# Altium PCB Swarm.PcbDoc (part 2 of 2)
Units mm, origin at the board's own origin, x right, y up, seen from the top; angles counter-clockwise.
Board outline 110 x 110 mm, 2 copper layers (Top Layer, Bottom Layer); 186 components, 147 nets, 586 pads, 71 vias.
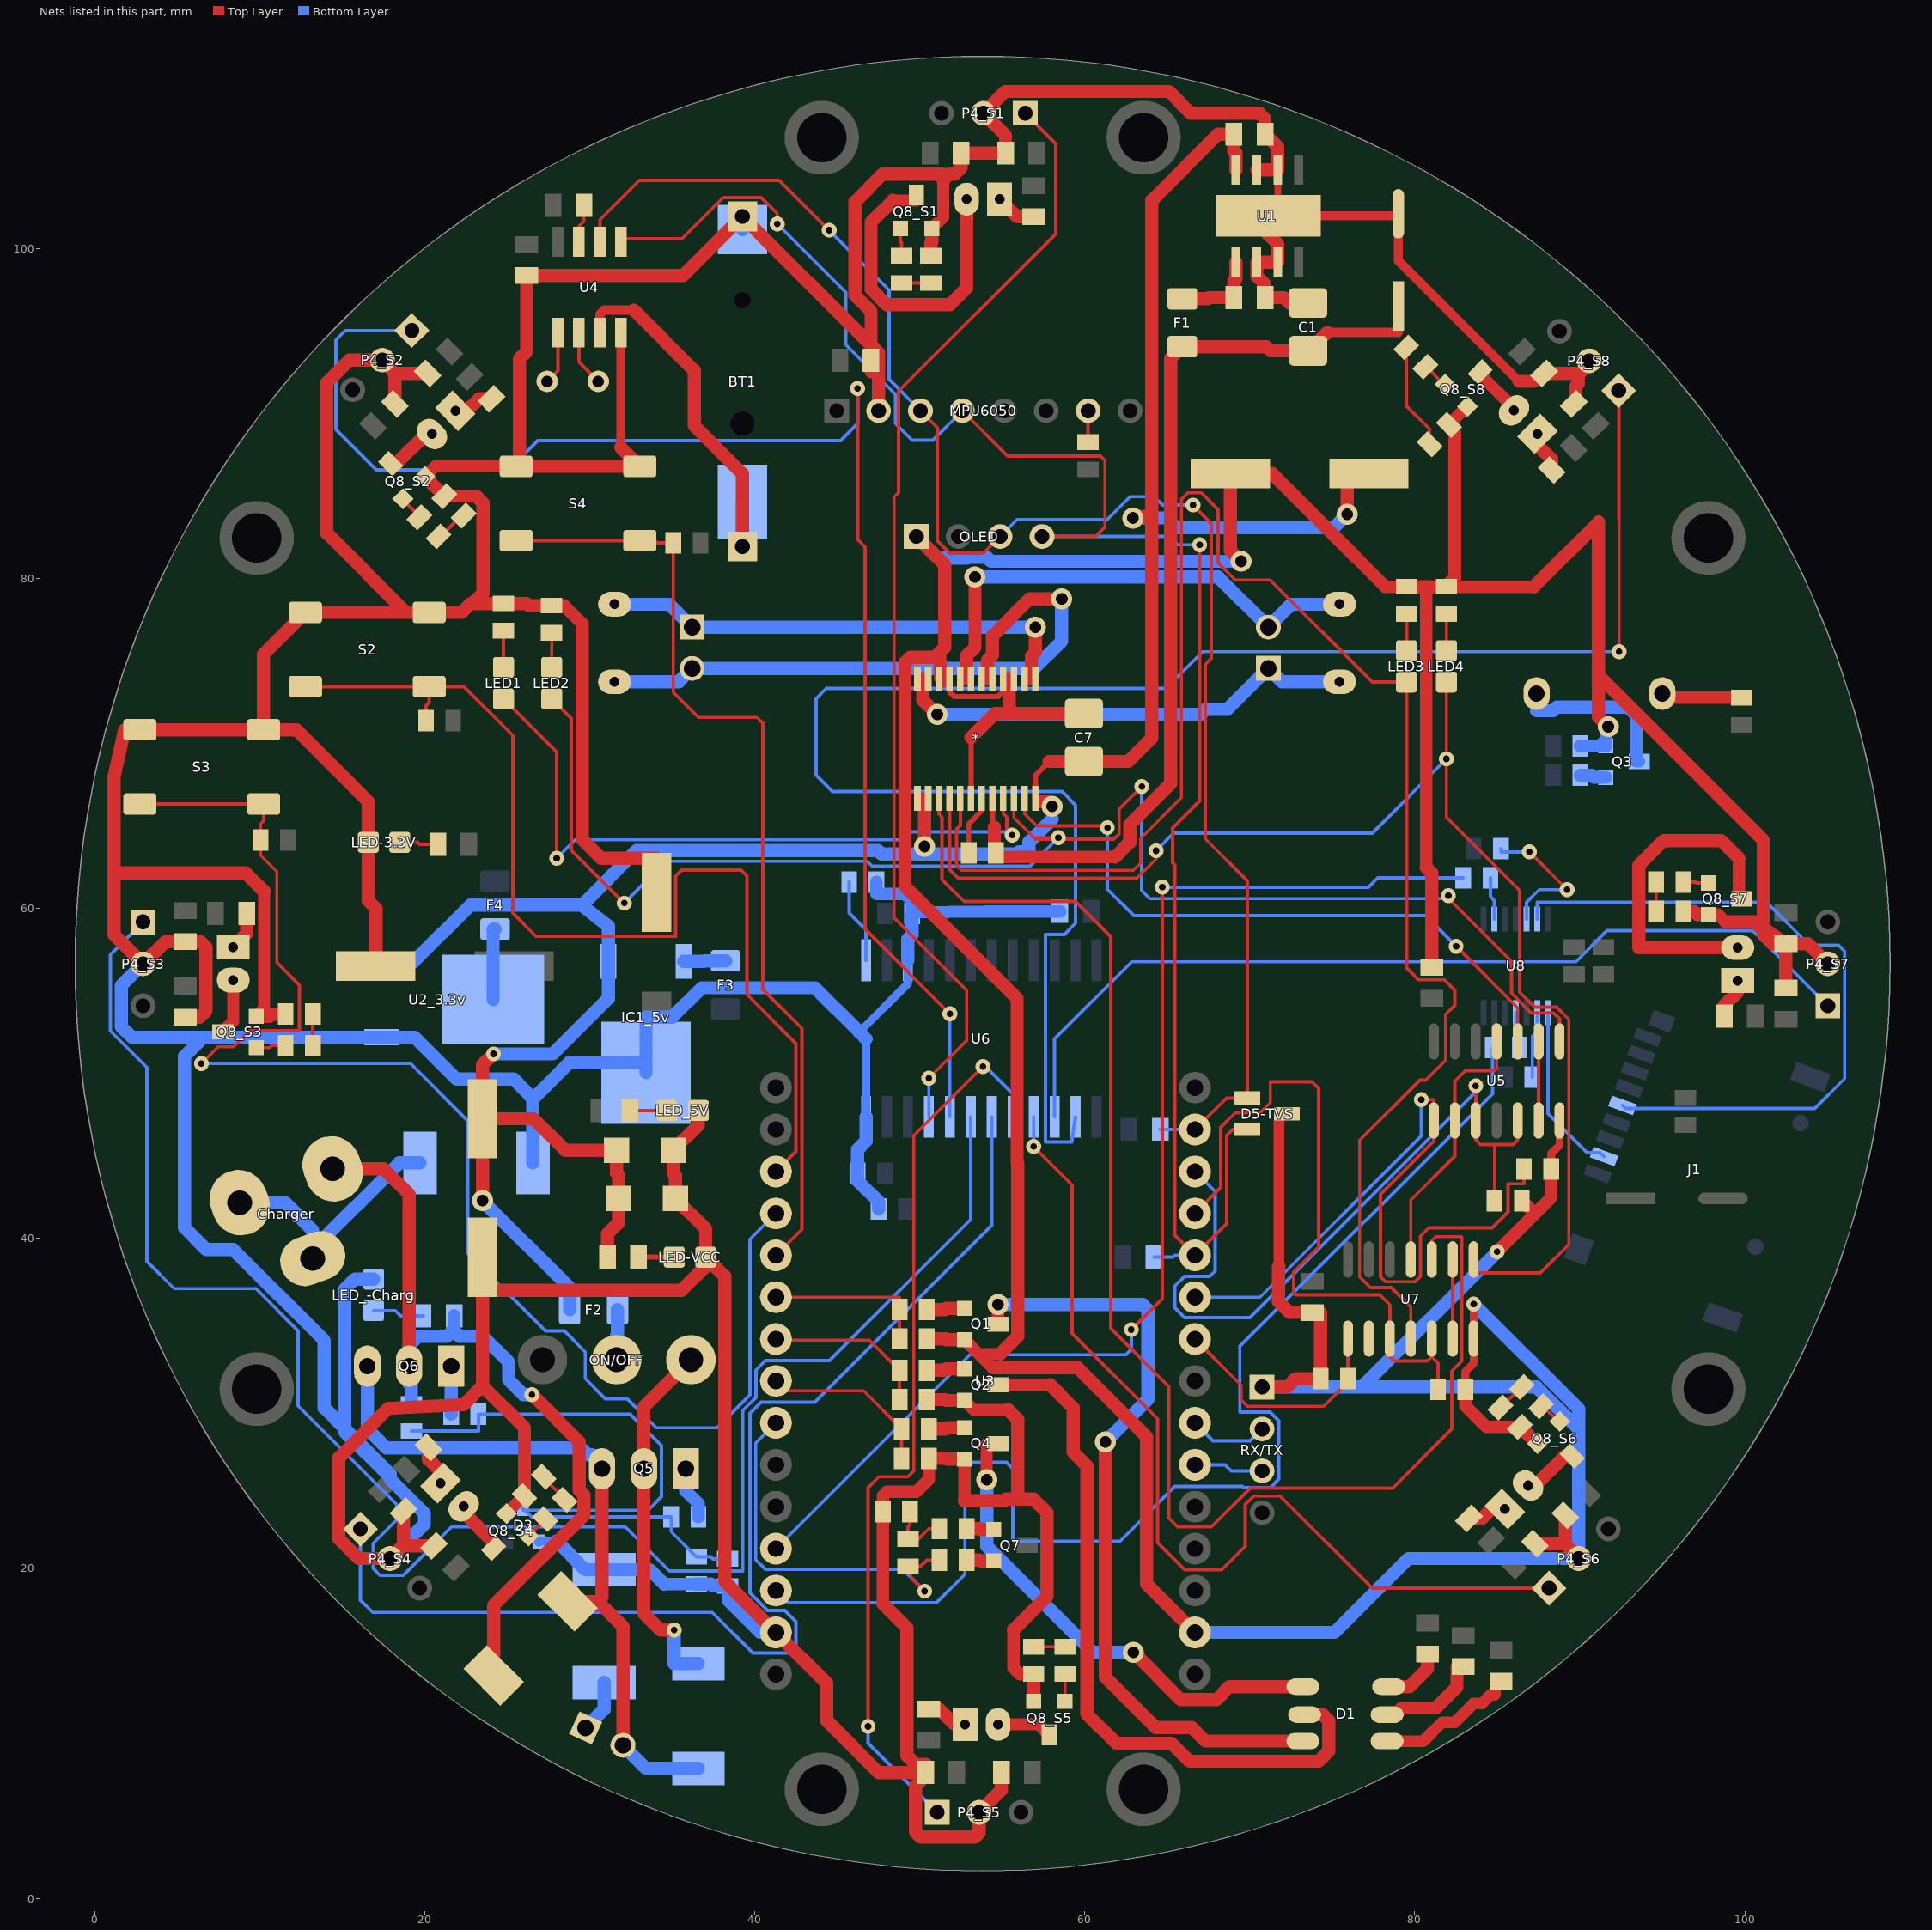
[diagram p2: the nets of this part, all layers, seen from the top]

## Via types
v1: diameter 0.9, hole 0.4, Top Layer to Bottom Layer, 41 vias
v2: diameter 1.27, hole 0.711, Top Layer to Bottom Layer, 30 vias

## Nets (pads, with @x,y where several pads share a name; then routed paths per layer and width w, separated by ;. In a path a pad name is that pad's centre, name@x,y a point inside that pad or via, vN(x,y) a via of type N, cw(c..) or ccw(c..) an arc to the next point about the centre after c; other vN are vias at no path point) (continued)
GND_S1: *.3 *.4 *.9 *.10 *.18 BT1.2 C1.2 C2.1 C3.1 C4.2 C5.2 C6.- C7.2 C10.2 C12.2 C13.1 C14.2 C15.2 C17.1 C18.2 C21.1 C22.2 C23_S1.1 C23_S2.1 C23_S3.1 C23_S4.1 C23_S5.1 C23_S6.1 C23_S7.1 C23_S8.1 C24_S1.1 C24_S2.1 C24_S3.1 C24_S4.1 C24_S5.1 C24_S6.1 C24_S7.1 C24_S8.1 D2.A D3.A D4.A D5-TVS.3 IC1_5v.4 LED-3.3V.K LED-VCC.K LED_5V.K LED_-Charg.K MPU6050.2 OLED.1 P4_S1.2 P4_S2.2 P4_S3.2 P4_S4.2 P4_S5.2 P4_S6.2 P4_S7.2 P4_S8.2 Q1.E Q2.E Q3.E Q4.E Q8_S1.E Q8_S2.E Q8_S3.E Q8_S4.E Q8_S5.E Q8_S6.E Q8_S7.E Q8_S8.E R5.2 R16.2 R17.2 R18.2 R19.2 R20.2 R33.2 R34.2 R35.2 R38.2 R39.2 R40.2 R41.2 R42.1 R43.1 R44.1 R45.2 R46.1 R47.2 R50_S1.2 R50_S2.2 R50_S3.2 R50_S4.2 R50_S5.2 R50_S6.2 R50_S7.2 R50_S8.2 RX/TX.1 S2.1 S3.1 S4.1 U1.2 U1.3 U1.6 U1.7 U2_3.3v.1 U3.2 U3.29 U4.4 U5.7 U6.12 U6.15 U7.7 | length 1016.1
  Top Layer w0.32: *.9@51.801,73.787 51.801,73.116 52.07,72.847 54.746,72.847 55.051,73.152 *.4@55.051,73.914 ; *.18@53.101,66.675 53.101,70.358 ; *.4@55.051,73.925 *.4@55.051,73.914 ; 55.376,73.914 *.4@55.051,73.914
  Top Layer w0.427: U1.7@71.69,102.551 U1.6@71.69,104.766
  Top Layer w0.48: R40.2@83.058,30.861 83.058,31.922 83.566,32.43 U7.7@83.566,33.922 v1(83.566,36.017) ; R35.2@88.264,44.196 88.264,45.143 88.773,45.652 U5.7@88.773,47.143
  Top Layer w0.56: 31.877,87.946 U4.4@31.877,94.913 ; U1.7@71.12,101.981 C6.-@78.994,101.981 ; C6.-@78.994,102.108 C6.-@78.994,101.981 ; 86.313,91.948 78.994,99.267 C6.-@78.994,101.981
  Top Layer w0.64: 71.755,38.302 71.755,47.064 71.79,47.099 71.79,47.479 71.87,47.559 D5-TVS.3@72.25,47.559
  Top Layer w0.732: Q8_S3.E@9.779,53.467 10.262,53.95 10.262,61.036 ; Q8_S2.E@20.016,86.183 20.629,86.796 S4.1@25.527,86.796 ; Q8_S4.E@24.942,23.318 R50_S4.2@26.008,24.384 ; Q8_S1.E@50.724,101.219 51.41,101.905 51.41,104.14 ; 52.705,24.094 Q4.E@52.705,26.619 ; Q2.E@52.705,30.175 53.271,29.61 55.353,29.61 ; Q1.E@52.705,33.858 53.569,32.995 ; 54.407,32.156 53.569,32.995 ; 54.864,32.995 53.569,32.995 ; R50_S8.2@82.066,89.328 83.161,90.424 Q8_S8.E@83.185,90.424 ; Q8_S7.E@97.79,59.639 98.374,59.639 98.831,59.183
  Top Layer w0.76: R50_S2.2@21.185,84.987 23.116,84.987 ; R50_S4.2@26.008,24.384 R50_S4.2@26.035,24.384 26.035,28.524 ; R39.2@27.686,78.359 28.448,78.359 29.54,77.267 ; 47.753,17.855 R34.2@47.753,23.419 47.753,24.384 48.007,24.638 49.784,24.638 50.546,25.4 R18.2@50.546,26.67 ; 55.677,16.281 55.677,13.97 56.058,13.589 R50_S5.2@56.896,13.589 ; 76.429,81.28 78.207,79.502 R45.2@79.502,79.502 ; 80.696,62.484 80.696,79.171 81.026,79.501 R47.2@81.915,79.501 81.937,79.501 87.223,79.501 ; R50_S8.2@82.066,89.305 R50_S8.2@82.066,89.328 ; R40.2@83.058,30.861 83.058,29.845 84.328,28.575 R50_S6.2@86.36,28.575 ; v1(84.988,39.192) 87.287,41.49 ; R33.2@86.486,42.291 87.287,41.49 ; R35.2@88.264,44.196 88.264,42.468 87.287,41.49
  Top Layer w0.8: C24_S3.1@5.461,53.416 6.35,53.416 6.731,53.797 6.731,57.658 6.401,57.988 C23_S3.1@5.461,57.988 4.267,57.988 P4_S3.2@2.921,56.642 1.168,58.395 1.168,62.154 ; Q8_S3.E@9.779,53.467 10.592,53.467 10.719,53.594 R50_S3.2@11.557,53.594 ; 10.262,61.036 9.144,62.154 1.168,62.154 ; C14.2@17.009,56.515 17.047,56.515 17.047,59.983 16.573,60.456 LED-3.3V.K@16.573,64.008 16.573,66.459 12.203,70.83 S3.1@10.227,70.83 ; C24_S2.1@18.191,90.581 18.191,92.426 ; C23_S4.1@18.699,23.465 18.699,21.402 18.662,21.366 ; Q8_S2.E@20.016,86.183 20.016,86.158 21.185,84.988 R50_S2.2@21.185,84.987 ; C23_S2.1@20.163,92.426 18.191,92.426 ; C24_S4.1@20.544,21.366 18.662,21.366 ; 23.116,84.987 23.52,84.582 23.52,79.11 22.895,78.485 ; C4.2@23.495,38.853 C4.2@23.495,36.855 ; S4.1@25.527,86.796 S4.1@25.73,86.796 ; 26.035,28.524 23.495,31.064 ; R39.2@27.686,78.359 26.288,78.359 26.162,78.485 R38.2@24.765,78.485 22.895,78.485 ; 29.54,77.267 29.54,64.18 30.677,63.043 34.036,63.043 C10.2@34.036,60.969 ; 31.877,87.946 S4.1@33.027,86.796 S4.1@25.73,86.796 ; LED_5V.K@36.576,47.752 36.576,46.863 C15.2@35.052,45.339 35.052,43.942 35.179,43.815 C12.2@35.179,42.418 37.02,40.576 LED-VCC.K@37.02,38.862 LED-VCC.K@37.294,38.589 ; MPU6050.2@47.498,90.17 C13.1@47.498,92.52 ; 47.753,17.855 49.225,16.383 49.225,8.636 49.759,8.103 50.368,8.103 C23_S5.1@50.368,7.62 ; OLED.1@49.784,82.55 51.498,80.835 51.498,75.819 51.202,75.522 ; R17.2@50.419,30.226 51.537,30.226 51.587,30.175 Q2.E@52.705,30.175 ; R16.2@50.419,33.909 51.537,33.909 51.587,33.858 Q1.E@52.705,33.858 ; R18.2@50.546,26.67 51.587,26.67 51.638,26.619 Q4.E@52.705,26.619 ; R50_S1.2@50.673,99.568 50.673,100.355 50.724,100.406 Q8_S1.E@50.724,101.219 ; 51.41,104.14 51.791,104.521 52.121,104.521 52.502,104.902 C24_S1.1@52.502,105.791 C23_S1.1@55.194,105.791 55.194,106.858 P4_S1.2@53.848,108.204 55.169,109.525 65.098,109.525 66.419,108.204 70.587,108.204 70.917,107.874 C3.1@70.917,106.934 70.917,106.743 71.025,106.636 71.221,106.636 71.69,106.167 U1.6@71.69,104.766 U1.7@70.42,104.766 ; 51.41,104.521 47.752,104.521 46.076,102.845 46.076,97.155 47.041,96.19 47.041,94.15 ; 51.435,73.787 51.251,73.971 51.251,74.903 51.202,74.952 51.202,75.225 51.202,75.522 ; 52.705,24.094 55.131,24.094 55.226,24.19 55.664,24.19 ; 53.101,70.358 54.551,71.808 55.418,71.808 55.418,72.091 55.701,71.808 C7.2@59.944,71.808 ; 54.407,32.156 59.563,32.156 63.75,27.968 63.75,19.04 U3.2@66.675,16.115 ; 54.864,32.995 55.939,34.069 55.939,44.525 55.896,44.568 55.896,54.543 49.098,61.341 49.098,74.93 49.128,74.93 49.423,75.225 50.905,75.225 51.202,75.522 ; C24_S5.1@54.94,7.62 54.94,6.553 P4_S5.2@53.594,5.207 53.594,3.962 53.34,3.708 50.038,3.708 49.733,4.013 49.733,6.807 50.368,7.442 C23_S5.1@50.368,7.62 ; 55.353,29.61 55.931,29.032 55.931,24.19 56.887,24.19 57.709,23.368 57.709,18.313 55.677,16.281 ; 55.376,73.914 55.418,73.872 55.418,73.152 55.418,72.391 ; Q8_S5.E@56.896,11.938 R50_S5.2@56.896,13.589 ; v2(69.469,81.042) 68.816,81.695 C5.2@68.816,86.36 71.349,86.36 76.429,81.28 ; RX/TX.1@70.739,30.988 72.263,30.988 72.771,31.496 R41.2@74.296,31.496 74.296,35.509 C18.2@73.787,35.509 72.389,35.509 71.74,36.158 71.74,38.287 71.755,38.302 ; U1.7@71.69,102.551 U1.7@71.12,101.981 71.12,100.849 71.69,100.279 U1.3@71.69,99.178 U1.2@70.42,99.178 70.42,98.338 70.917,97.841 C2.1@70.917,97.028 72.06,97.028 72.388,96.7 C1.2@73.533,96.7 ; R45.2@79.502,79.502 80.696,79.502 80.697,79.501 81.026,79.501 ; 80.696,62.484 81.026,62.154 C22.2@81.026,56.439 ; R47.2@81.937,79.501 82.012,79.576 82.012,79.634 82.423,80.045 82.423,88.841 82.189,89.075 82.189,89.181 R50_S8.2@82.066,89.305 ; 86.313,91.948 87.204,91.948 87.684,92.427 C24_S8.1@87.837,92.427 89.796,92.427 ; R50_S6.2@86.36,28.575 86.385,28.575 87.391,27.569 Q8_S6.E@87.434,27.569 ; 87.223,79.501 91.139,83.417 91.139,74.114 ; C23_S6.1@87.279,21.493 89.124,21.493 ; C24_S6.1@89.124,23.211 89.124,21.493 ; C23_S8.1@89.632,90.581 89.767,90.715 89.767,91.672 ; 89.916,91.821 89.916,92.358 90.565,93.007 P4_S8.2@90.565,93.196 ; P4_S6.2@89.934,20.592 89.124,21.493 ; v2(91.719,71.018) 91.139,71.599 91.139,74.114 ; R50_S7.2@96.266,59.817 96.926,59.817 97.104,59.639 Q8_S7.E@97.79,59.639 ; 98.831,59.183 100.584,59.183 ; C23_S7.1@102.489,55.169 C24_S7.1@102.489,57.861 ; P4_S7.2@105.029,56.642 103.81,57.861 C24_S7.1@102.489,57.861 ; 1.168,62.154 1.168,68.021 1.803,70.83 S3.1@2.727,70.83 S3.1@10.227,70.83 ; S3.1@10.227,70.83 10.227,75.409 S2.1@12.76,77.942 18.857,77.942 ; 18.191,92.426 P4_S2.2@17.417,93.236 15.41,93.236 14.046,91.872 14.046,82.753 18.857,77.942 ; 18.662,21.366 P4_S4.2@17.889,20.592 15.984,20.592 14.783,21.793 14.783,26.695 17.78,29.693 22.352,29.921 23.495,31.064 ; 18.857,77.942 S2.1@20.26,77.942 22.225,77.942 22.768,78.485 22.895,78.485 ; 23.495,31.064 C4.2@23.495,36.855 ; C4.2@23.495,36.855 35.56,36.855 LED-VCC.K@37.294,38.589 ; S4.1@25.73,86.796 25.73,93.32 26.162,93.751 C17.1@26.162,98.374 35.669,98.374 BT1.2@39.243,101.948 47.041,94.15 ; LED-VCC.K@37.294,38.589 38.176,37.706 38.176,19.214 U3.29@41.275,16.115 44.348,13.042 44.348,10.77 47.498,7.62 C23_S5.1@50.368,7.62 ; 47.041,94.15 47.498,93.693 C13.1@47.498,92.52 ; 47.041,94.15 C13.1@47.041,93.218 47.041,92.52 C13.1@47.498,92.52 ; 91.139,74.114 101.117,64.135 101.117,59.183 100.584,59.183 ; 100.584,59.183 100.944,58.933 101.301,58.685 C24_S7.1@102.489,57.861 ; 100.584,59.183 101.117,58.649 101.117,58.42 101.676,57.861 C24_S7.1@102.489,57.861
  Bottom Layer w0.488: 46.33,52.502 49.276,55.448 U6.15@49.276,56.859 ; U6.12@46.736,47.371 46.736,52.095
  Bottom Layer w0.56: D3.A@26.919,21.59 26.919,21.653 27.979,21.653
  Bottom Layer w0.732: Q3.E@91.567,69.85 v2@91.567,70.866
  Bottom Layer w0.76: D4.A@30.861,19.915 33.63,19.915 ; 34.495,19.05 R5.2@36.449,19.05 ; R20.2@38.354,18.924 38.354,18.059 40.298,16.115 ; R46.1@47.371,61.595 47.371,60.884 49.097,60.884 49.529,60.452 R44.1@49.529,59.75 ; R44.1@49.529,59.69 R44.1@49.529,59.75 ; C21.1@58.496,59.817 53.991,59.817 R44.1@49.529,59.75
  Bottom Layer w0.8: P4_S3.2@2.921,56.642 1.6,55.321 1.6,52.832 2.234,52.198 6.581,52.198 ; LED_-Charg.K@16.891,37.529 15.761,37.529 15.138,36.906 15.138,28.473 ; P4_S4.2@17.889,20.592 19.971,22.674 19.971,23.336 17.889,25.418 ; D2.A@26.543,44.577 26.543,48.456 ; 27.979,21.653 29.717,19.915 D4.A@30.861,19.915 ; IC1_5v.4@33.401,50.038 IC1_5v.4@33.401,50.643 ; 33.63,19.915 34.495,19.05 ; R5.2@36.449,19.05 37.338,19.05 37.464,18.924 R20.2@38.354,18.924 ; BT1.2@39.243,101.148 BT1.2@39.243,101.948 ; 40.298,16.115 U3.29@41.275,16.115 ; U6.12@46.736,47.371 46.736,45.898 46.228,45.39 R43.1@46.228,43.942 46.228,43.486 47.499,42.215 R42.1@47.499,41.783 ; 46.736,52.095 46.33,52.502 43.637,55.194 36.779,55.194 35.001,53.416 33.401,53.416 IC1_5v.4@33.401,50.643 ; U6.15@49.276,56.859 49.276,58.141 49.529,58.394 R44.1@49.529,59.69 ; OLED.1@49.784,82.55 51.105,81.229 52.857,81.229 52.908,81.28 54.077,81.28 54.315,81.042 v2(69.469,81.042) ; U3.2@66.675,16.115 75.132,16.115 79.61,20.592 P4_S6.2@89.934,20.592 89.934,28.43 ; RX/TX.1@70.739,30.988 76.784,30.988 ; v1(83.566,36.017) 89.934,29.649 89.934,28.43 ; v1(84.988,39.192) 76.784,30.988 ; R19.2@90.042,69.85 Q3.E@91.567,69.85 ; v2@91.567,70.866 v2(91.719,71.018) ; 6.581,52.198 U2_3.3v.1@17.38,52.198 19.38,52.198 21.921,49.657 25.4,49.657 26.543,48.456 ; 6.581,52.198 5.436,51.053 5.436,40.64 6.756,39.319 8.382,39.319 13.894,33.807 13.894,29.718 15.138,28.473 ; 15.138,28.473 15.138,28.285 17.889,25.535 17.889,25.723 15.138,28.473 ; 26.543,48.456 28.73,50.643 IC1_5v.4@33.401,50.643 ; 76.784,30.988 87.376,30.988 89.934,28.43
LED1: R14.1 R18.1 U3.23 | length 11
  Top Layer w0.2: U3.23@41.275,31.355 41.275,30.759 46.585,30.759 R14.1@48.896,28.448 R18.1@48.896,26.67
LED2: R12.1 R17.1 U3.22 | length 10.1
  Top Layer w0.2: U3.22@41.275,33.895 41.275,33.833 46.939,33.833 R12.1@48.768,32.004 48.768,31.091 48.769,31.09 R17.1@48.769,30.226
LED3: R11.1 R16.1 U3.21 | length 10
  Top Layer w0.2: U3.21@41.275,36.435 48.768,36.435 R11.1@48.768,35.687 48.768,34.774 48.769,34.773 R16.1@48.769,33.909
MISO: R51.1 U3.27 | length 73.8
  Top Layer w0.2: v1(62.814,34.468) 64.694,36.347 v1(64.694,61.29)
  Bottom Layer w0.2: U3.27@41.275,21.195 53.024,32.944 62.484,32.944 62.814,33.274 v1(62.814,34.468) ; v1(64.694,61.29) 77.191,61.29 77.749,61.849 R51.1@82.931,61.849
MOSI: R53.2 U3.28 | length 78.7
  Bottom Layer w0.2: U3.28@41.275,18.655 42.023,17.907 51.003,17.907 52.73,19.634 52.73,25.933 53.213,26.416 55.245,26.416 55.626,26.035 55.626,21.758 55.743,21.641 62.128,21.641 65.456,24.968 69.545,24.968 69.621,24.892 71.247,24.892 71.755,25.4 71.755,28.956 71.235,29.476 69.389,29.476 69.389,33.448 84.709,48.768 R53.2@84.709,51.562
Motor_L_A: "Motor L.1" *.1 *.2 C8.2 | length 29.7
  Top Layer w0.32: *.2@56.351,73.925 56.351,73.914 56.676,73.914
  Top Layer w0.8: 56.676,73.914 56.769,74.007 56.769,75.311 57.001,75.543 v2(57.001,77.049)
  Bottom Layer w0.8: C8.2@31.496,78.442 34.802,78.442 36.195,77.049 v2(57.001,77.049)
Motor_L_B: "Motor L.2" *.5 *.6 C8.1 | length 38.9
  Top Layer w0.32: *.6@53.751,73.925 53.751,73.914 54.076,73.914
  Top Layer w0.8: 54.076,73.914 54.102,73.94 54.102,75.057 54.401,75.356 54.401,76.524 56.642,78.765 v2(58.598,78.765)
  Bottom Layer w0.8: C8.1@31.496,73.742 35.388,73.742 36.195,74.549 56.947,74.549 58.598,76.2 v2(58.598,78.765)
Motor_L_DIR: U5.6 U5.9 | length 4.8
  Top Layer w0.2: U5.6@87.503,47.143 U5.9@87.503,51.943
Motor_L_EN: U5.2 U5.11 U7.11 | length 16.4
  Top Layer w0.2: U7.11@79.756,38.722 79.756,42.316 82.423,44.983 U5.2@82.423,47.143 82.423,49.53 83.058,50.165 84.846,50.165 84.963,50.282 U5.11@84.963,51.943
Motor_L_Signal: R33.1 U3.13 U5.3 U5.5 | length 45.8
  Top Layer w0.2: v1(83.693,49.251) U5.3@83.693,47.143 83.693,45.974 83.972,45.695 84.836,45.695 ; R33.1@84.836,42.291 84.836,45.695 ; U5.5@86.233,47.143 86.233,45.974 85.954,45.695 84.836,45.695
  Bottom Layer w0.2: U3.13@66.675,44.055 67.894,42.836 67.894,38.024 67.564,37.694 66.04,37.694 65.456,37.109 65.456,35.789 66.04,35.204 70.002,35.204 83.693,48.895 v1(83.693,49.251)
Motor_L_Signal_1: *.21 LED1.A | length 41.8
  Top Layer w0.2: LED1.A@24.765,72.707 27.991,69.482 v1(27.991,63.043) ; *.21@55.051,66.675 55.051,65.761 55.27,65.541 55.27,64.77 v1(55.601,64.44)
  Bottom Layer w0.2: v1(27.991,63.043) 29.107,64.159 48.907,64.159 49.398,64.65 55.39,64.65 v1(55.601,64.44)
Motor_L_Signal_2: *.22 LED2.A U5.8 | length 93.1
  Top Layer w0.2: LED2.A@27.686,72.707 28.88,71.514 28.88,63.525 v1(32.08,60.325) ; *.22@55.701,66.675 55.701,65.507 56.92,64.287 57.011,64.287 ; v1(58.395,64.287) 57.011,64.287 ; v1(63.449,67.386) 62.076,66.013 62.076,64.516 61.757,64.197 57.011,64.197 57.011,64.287 ; v1(82.036,60.771) 82.036,60.691 ccw(c82.236,60.693) 82.094,60.552 85.852,56.794 85.852,54.864 87.051,53.665 88.417,53.665 88.773,53.309 U5.8@88.773,51.943
  Bottom Layer w0.2: v1(32.08,60.325) 34.615,62.859 46.812,62.859 47.111,62.56 56.667,62.56 v1(58.395,64.287) ; v1(63.449,67.386) 63.449,61.087 63.946,60.59 81.836,60.59 ccw(c81.836,60.79) v1@82.035,60.77
Motor_R_A: "Motor R.1" *.11 *.12 C16.2 | length 28.4
  Top Layer w0.8: 50.176,73.914 50.165,73.903 50.165,72.644 v2(51.054,71.755)
  Bottom Layer w0.8: v2(51.054,71.755) 67.008,71.755 67.336,72.083 68.654,72.083 71.12,74.549 71.928,73.741 C16.2@75.438,73.741
Motor_R_B: "Motor R.2" *.7 *.8 C16.1 | length 30.7
  Top Layer w0.32: 52.776,73.914 53.101,73.914 *.7@53.101,73.925
  Top Layer w0.8: 52.776,73.914 52.832,73.97 52.832,75.311 53.34,75.819 v2(53.34,80.086)
  Bottom Layer w0.8: v2(53.34,80.086) 68.083,80.086 71.12,77.049 72.512,78.441 C16.1@75.438,78.441
Motor_R_DIR: U7.6 U7.9 | length 4.8
  Top Layer w0.2: U7.6@82.296,33.922 U7.9@82.296,38.722
Motor_R_EN: U7.2
Motor_R_Signal: R40.1 U3.12 U7.3 U7.5 | length 42.1
  Top Layer w0.2: U3.12@66.675,41.515 68.24,43.08 68.24,46.736 69.104,47.6 70.612,47.6 71.241,48.228 71.241,49.486 72.498,49.486 72.506,49.493 73.763,49.493 74.168,49.098 74.168,39.48 72.644,37.956 72.644,36.693 72.761,36.576 77.876,36.576 78.486,35.966 U7.3@78.486,33.922 78.486,32.817 78.74,32.563 80.772,32.563 81.026,32.817 ; U7.5@81.026,33.922 81.026,32.817 ; R40.1@81.408,30.861 81.408,32.435 81.026,32.817
Motor_R_Signal_1: *.17 LED3.A U7.4 | length 105.7
  Top Layer w0.2: *.17@52.451,66.675 52.451,65.024 52.222,64.795 52.222,62.611 52.523,62.31 62.931,62.31 63.376,62.755 63.376,64.239 65.848,66.712 65.848,84.785 66.254,85.192 67.056,85.192 68.072,84.176 68.072,80.95 69.113,79.908 71.234,79.908 77.419,73.724 LED3.A@79.502,73.724 79.502,56.388 80.213,55.677 81.788,55.677 82.423,55.042 82.423,54.127 81.864,53.569 81.864,50.8 80.663,49.598 80.307,49.598 76.657,45.949 76.657,37.668 77.303,37.022 78.573,37.022 79.756,35.839 U7.4@79.756,33.922
Motor_R_Signal_2: *.16 LED4.A U7.8 | length 83.2
  Top Layer w0.2: *.16@51.801,66.675 51.801,62.347 52.324,61.824 63.146,61.824 64.313,62.991 v1(64.313,63.5) ; LED4.A@81.915,73.724 v1(81.915,69.063) 81.915,65.532 86.36,61.087 86.36,54.915 87.26,54.015 88.598,54.015 89.332,53.28 89.332,39.624 87.605,37.897 83.566,37.897 U7.8@83.566,38.722
  Bottom Layer w0.2: v1(64.313,63.5) 65.38,64.567 77.419,64.567 v1(81.915,69.063)
Net*_19: *.19 R24.1 | length 3.6
  Top Layer w0.3: R24.1@52.96,63.373 52.96,65.127 53.751,65.918 *.19@53.751,66.675
NetBAT_1: BAT.1 D4.K | length 3.2
  Bottom Layer w0.8: BAT.1@29.738,10.328 30.861,11.45 D4.K@30.861,13.081
NetBT1_1: BT1.1 U4.3 | length 23
  Top Layer w0.56: U4.3@30.607,94.913 30.607,96.012 30.861,96.266 32.664,96.266
  Top Layer w0.8: 32.664,96.266 36.322,92.608 36.322,89.281 39.243,86.36 BT1.1@39.243,81.948
  Bottom Layer w0.8: BT1.1@39.243,81.948 BT1.1@39.243,84.648
NetC2_2: C2.2 F1.1 U1.1 | length 5.4
  Top Layer w0.8: F1.1@65.913,96.954 67.437,96.954 67.511,97.028 C2.2@69.037,97.028 69.037,98.044 69.15,98.157 U1.1@69.15,99.178
NetCharger_2: Charger.2 Charger.3 D2.K | length 15.5
  Bottom Layer w0.8: Charger.2@8.775,42.164 11.532,42.164 13.201,40.494 Charger.3@13.201,39.325 ; Charger.3@13.201,38.774 Charger.3@13.201,39.325 ; D2.K@19.709,44.577 18.453,44.577 Charger.3@13.201,39.325
NetD1_1: D1.1 Q4.C | length 30.3
  Top Layer w0.732: v2(54.051,25.375) 54.051,27.559 Q4.C@54.737,27.559
  Top Layer w0.8: v2(62.941,14.91) 65.811,12.04 67.971,12.04 68.758,12.826 D1.1@73.219,12.826
  Bottom Layer w0.8: v2(54.051,25.375) 54.051,21.336 60.477,14.91 v2(62.941,14.91)
NetD1_2: D1.2 Q2.C | length 43.6
  Top Layer w0.732: Q2.C@54.737,31.115 57.912,31.115
  Top Layer w0.8: 57.912,31.115 59.284,29.743 59.284,27.051 60.122,26.213 60.122,11.176 61.9,9.398 65.253,9.398 66.345,8.306 74.168,8.306 74.778,8.915 74.778,10.77 74.422,11.126 D1.2@73.319,11.126
NetD1_3: D1.3 Q1.C | length 47.3
  Top Layer w0.732: Q1.C@54.737,34.798 v2(54.737,35.991)
  Top Layer w0.8: v2(61.239,27.661) 61.239,13.411 64.303,10.348 66.482,10.348 67.304,9.526 D1.3@73.219,9.526
  Bottom Layer w0.8: v2(54.737,35.991) 63.501,35.991 63.814,35.678 63.814,30.235 v2(61.239,27.661)
NetD1_4: D1.4 R3.2 | length 8.8
  Top Layer w0.7: D1.4@78.319,9.526 80.519,9.526 81.661,10.668 82.423,10.668 83.566,11.811 84.074,11.811 84.582,12.319 84.836,12.319 84.869,12.352 84.869,12.999 85.026,13.157 R3.2@85.217,13.157
NetD1_5: D1.5 R4.2 | length 6.6
  Top Layer w0.8: D1.5@78.319,11.126 78.816,11.126 79.222,11.532 81.28,11.532 82.55,12.802 82.55,14.046 R4.2@82.931,14.046
NetD1_6: D1.6 R8.2 | length 3.7
  Top Layer w0.8: D1.6@78.419,12.826 79.68,12.826 80.772,13.918 R8.2@80.772,14.808
NetF2_2: F2.2 ON/OFF.2 | length 3.1
  Bottom Layer w0.8: ON/OFF.2@31.623,32.639 31.623,34.112 31.676,34.165 F2.2@31.676,35.687
NetF3_2: F3.2 IC1_5v.3 | length 2.6
  Bottom Layer w0.8: IC1_5v.3@35.686,56.788 36.932,56.788 36.966,56.822 F3.2@38.227,56.822
NetF4_2: F4.2 U2_3.3v.4 | length 4.4
  Bottom Layer w0.8: U2_3.3v.4@24.13,54.483 24.13,58.748 F4.2@24.257,58.748
NetLED1_K: LED1.K R38.1 | length 2.2
  Top Layer w0.2: LED1.K@24.765,74.612 R38.1@24.765,76.835
NetLED2_K: LED2.K R39.1 | length 2.1
  Top Layer w0.2: LED2.K@27.686,74.612 R39.1@27.686,76.709
NetLED3_K: LED3.K R45.1 | length 2.2
  Top Layer w0.2: LED3.K@79.502,75.629 R45.1@79.502,77.852
NetLED4_K: LED4.K R47.1 | length 2.2
  Top Layer w0.2: LED4.K@81.915,75.629 R47.1@81.915,77.851
NetLED5_S1_1: LED5_S1.1 R48_S1.2 | length 2.5
  Top Layer w0.8: LED5_S1.1@54.832,102.997 55.899,101.93 R48_S1.2@56.896,101.93
NetLED5_S1_2: LED5_S1.2 Q8_S1.C | length 19.7
  Top Layer w0.732: 48.362,102.921 49.784,102.921 Q8_S1.C@49.784,103.251
  Top Layer w0.8: 48.362,102.921 47.041,101.6 47.041,97.536 47.981,96.596 51.816,96.596 52.832,97.612 LED5_S1.2@52.832,102.997
NetLED5_S2_1: LED5_S2.1 R48_S2.2 | length 2.5
  Top Layer w0.8: LED5_S2.1@21.844,90.17 22.555,90.17 23.288,90.902 R48_S2.2@24.033,90.902
NetLED5_S2_2: LED5_S2.2 Q8_S2.C | length 3.3
  Top Layer w0.8: Q8_S2.C@17.915,86.955 18.263,86.955 20.063,88.756 LED5_S2.2@20.43,88.756
NetLED5_S3_1: LED5_S3.1 R48_S3.2 | length 2.4
  Top Layer w0.8: LED5_S3.1@8.382,57.658 9.195,58.471 R48_S3.2@9.195,59.69
NetLED5_S3_2: LED5_S3.2 Q8_S3.C | length 3.4
  Top Layer w0.732: Q8_S3.C@7.747,52.527 8.382,53.162 LED5_S3.2@8.382,55.658
NetLED5_S4_1: LED5_S4.1 R48_S4.2 | length 2.5
  Top Layer w0.8: R48_S4.2@20.223,27.335 20.223,26.598 20.938,25.883 LED5_S4.1@20.938,25.163
NetLED5_S4_2: LED5_S4.2 Q8_S4.C | length 3.3
  Top Layer w0.8: LED5_S4.2@22.352,23.749 22.352,23.382 24.17,21.565 Q8_S4.C@24.17,21.217
NetLED5_S5_1: LED5_S5.1 R48_S5.2 | length 2.6
  Top Layer w0.8: R48_S5.2@50.546,11.481 51.156,11.481 52.095,10.541 LED5_S5.1@52.737,10.541
NetLED5_S5_2: LED5_S5.2 Q8_S5.C | length 3.4
  Top Layer w0.732: LED5_S5.2@54.737,10.541 57.201,10.541 Q8_S5.C@57.836,9.906
NetLED5_S6_1: LED5_S6.1 R48_S6.2 | length 2.4
  Top Layer w0.8: R48_S6.2@83.282,23.017 84.074,23.017 84.662,23.605 LED5_S6.1@85.454,23.605
NetLED5_S6_2: LED5_S6.2 Q8_S6.C | length 3.4
  Top Layer w0.8: LED5_S6.2@86.868,25.019 87.3,25.019 89.078,26.797 Q8_S6.C@89.535,26.797
NetLED5_S7_1: LED5_S7.1 R48_S7.2 | length 2.5
  Top Layer w0.8: R48_S7.2@98.755,53.467 98.755,54.127 99.568,54.94 LED5_S7.1@99.568,55.626
NetLED5_S7_2: LED5_S7.2 Q8_S7.C | length 20.7
  Top Layer w0.732: 99.644,63.017 99.644,60.579 Q8_S7.C@99.822,60.579
  Top Layer w0.8: LED5_S7.2@99.568,57.626 93.58,57.626 93.574,57.633 93.574,62.611 95.072,64.11 98.552,64.11 99.644,63.017
NetLED5_S8_1: LED5_S8.1 R48_S8.2 | length 2.5
  Top Layer w0.8: LED5_S8.1@87.426,88.774 87.426,88.108 88.285,87.249 R48_S8.2@88.285,86.585
NetLED5_S8_2: LED5_S8.2 Q8_S8.C | length 3.2
  Top Layer w0.732: Q8_S8.C@83.957,92.525 83.957,92.377 LED5_S8.2@86.012,90.322
  Top Layer w0.8: LED5_S8.2@86.012,90.188 LED5_S8.2@86.012,90.322
NetLED-3.3V_A: LED-3.3V.A R26.1 | length 2.4
  Top Layer w0.2: LED-3.3V.A@18.479,64.008 19.558,64.008 19.685,63.881 R26.1@20.777,63.881
NetLED-VCC_A: LED-VCC.A R21.1 | length 2.2
  Top Layer w0.3: R21.1@32.944,38.862 LED-VCC.A@35.115,38.862
NetLED_5V_A: LED_5V.A R28.1 | length 2.2
  Top Layer w0.2: R28.1@32.436,47.752 LED_5V.A@34.671,47.752
NetLED_-Charg_A: LED_-Charg.A R2.1 | length 3.1
  Bottom Layer w0.2: LED_-Charg.A@16.891,35.623 18.212,35.623 18.529,35.306 R2.1@19.888,35.306
NetMPU6050_7: MPU6050.7 R25.2 | length 1.9
  Top Layer w0.2: R25.2@60.198,88.264 MPU6050.7@60.198,90.17
NetQ1_B: Q1.B R11.2 | length 2.3
  Top Layer w0.8: R11.2@50.418,35.687 51.511,35.687 51.587,35.763 Q1.B@52.705,35.763
NetQ2_B: Q2.B R12.2 | length 2.3
  Top Layer w0.8: R12.2@50.418,32.004 51.511,32.004 51.587,32.08 Q2.B@52.705,32.08
NetQ3_B: Q3.B R13.1 | length 1.6
  Bottom Layer w0.8: R13.1@90.043,68.072 90.729,68.072 90.856,67.945 Q3.B@91.567,67.945
NetQ3_C: Q3.C SP1.2 | length 10.4
  Bottom Layer w0.732: 93.421,71.725 93.421,68.91 Q3.C@93.599,68.91
  Bottom Layer w0.8: SP1.2@87.376,73.025 87.376,71.984 88.392,71.984 88.612,72.203 92.942,72.203 93.421,71.725
NetQ4_B: Q4.B R14.2 | length 2.2
  Top Layer w0.8: R14.2@50.546,28.448 51.587,28.448 51.664,28.524 Q4.B@52.705,28.524
NetQ5_1: Q5.1 R9.1 | length 3.2
  Bottom Layer w0.76: 35.814,24.689 36.576,23.927 R9.1@36.576,23.114
  Bottom Layer w0.8: 35.814,24.689 Q5.1@35.814,26.035
NetQ5_2: ON/OFF.3 Q5.2 R10.2 | length 22.3
  Top Layer w0.8: v1(35.103,16.256) 34.29,16.256 33.274,17.272 Q5.2@33.274,26.035 33.274,29.79 ON/OFF.3@36.123,32.639
  Bottom Layer w0.8: v1(35.103,16.256) 35.103,14.224 R10.2@36.576,14.224
NetQ6_1: Q6.1 R15.1 | length 2.9
  Bottom Layer w0.8: Q6.1@21.59,32.258 21.59,30.786 21.591,30.785 R15.1@21.591,29.337
NetQ7_B: Q7.B R37.1 | length 1.7
  Top Layer w0.8: R37.1@52.831,22.403 53.619,22.403 53.67,22.352 Q7.B@54.483,22.352
NetQ8_S1_B: Q8_S1.B R49_S1.2 | length 1.7
  Top Layer w0.2: Q8_S1.B@48.819,101.219 48.819,100.432 48.895,100.355 R49_S1.2@48.895,99.568
NetQ8_S2_B: Q8_S2.B R49_S2.2 | length 1.5
  Top Layer w0.2: Q8_S2.B@18.669,84.836 18.669,84.761 19.661,83.769 R49_S2.2@19.661,83.717
NetQ8_S3_B: Q8_S3.B R49_S3.2 | length 1.8
  Top Layer w0.2: Q8_S3.B@9.779,51.562 10.592,51.562 10.719,51.689 R49_S3.2@11.558,51.689
NetQ8_S4_B: Q8_S4.B R49_S4.2 | length 1.4
  Top Layer w0.2: Q8_S4.B@26.289,21.971 R49_S4.2@27.305,22.987
NetQ8_S5_B: Q8_S5.B R49_S5.2 | length 1.7
  Top Layer w0.2: Q8_S5.B@58.801,11.938 R49_S5.2@58.801,13.589
NetQ8_S6_B: Q8_S6.B R49_S6.2 | length 1.5
  Top Layer w0.2: R49_S6.2@87.654,29.821 87.757,29.821 88.662,28.916 Q8_S6.B@88.781,28.916
NetQ8_S7_B: Q8_S7.B R49_S7.2 | length 1.5
  Top Layer w0.2: R49_S7.2@96.266,61.595 97.003,61.595 97.053,61.544 Q8_S7.B@97.79,61.544
NetQ8_S8_B: Q8_S8.B R49_S8.2 | length 1.6
  Top Layer w0.2: R49_S8.2@80.645,92.837 80.696,92.837 81.762,91.771 Q8_S8.B@81.838,91.771
NetR7_2: R7.2 SP1.1 | length 5.1
  Top Layer w0.76: SP1.1@94.996,72.771 R7.2@99.822,72.771
  Top Layer w0.8: SP1.1@94.996,72.771 SP1.1@94.996,73.025
NetR32_2: R32.2 U4.7 | length 2.3
  Top Layer w0.2: U4.7@29.337,100.413 29.337,101.346 29.642,101.651 R32.2@29.642,102.616
NetR34_1: R34.1 R36.1 R37.2 | length 3.9
  Top Layer w0.2: R34.1@49.403,23.419 49.403,22.657 49.276,22.53 R36.1@49.276,21.768 49.911,21.768 50.546,22.403 R37.2@51.181,22.403
NetR46_2: R46.2 U6.13 | length 5.2
  Bottom Layer w0.2: R46.2@45.721,61.595 45.721,59.714 46.736,58.699 U6.13@46.736,56.859
NetR51_2: R51.2 U8.2 | length 2.6
  Bottom Layer w0.2: R51.2@84.581,61.849 84.581,60.721 84.825,60.477 U8.2@84.825,59.357
NetR52_2: R52.2 U8.5 | length 9
  Top Layer w0.2: v1(86.944,63.424) v1(89.23,61.138)
  Bottom Layer w0.2: R52.2@85.217,63.627 85.217,63.424 v1(86.944,63.424) ; U8.5@86.775,59.357 86.775,60.376 87.537,61.138 v1(89.23,61.138)
NetR53_1: R53.1 U8.11 | length 2.2
  Bottom Layer w0.2: U8.11@86.125,53.687 86.125,52.736 86.359,52.502 R53.1@86.359,51.562
NetR54_2: R54.2 U8.9 | length 4
  Bottom Layer w0.2: R54.2@87.121,49.784 87.121,52.262 87.425,52.566 U8.9@87.425,53.687
P: R31.2 R36.2 U3.24 | length 23.7
  Top Layer w0.2: R36.2@49.276,20.118 R36.2@49.454,20.118 ; v1(50.292,18.618) 49.454,19.456 R36.2@49.454,20.118 ; R31.2@51.182,20.498 50.418,20.498 50.038,20.118 R36.2@49.454,20.118
  Bottom Layer w0.2: U3.24@41.275,28.815 40.056,27.596 40.056,20.523 40.64,19.939 48.971,19.939 v1(50.292,18.618)
Pont_A: D3.K R5.1 R6.1 R9.2 R15.2 R20.1 | length 43.1
  Bottom Layer w0.2: R6.1@19.177,28.321 23.241,28.321 R15.2@23.241,29.337 32.436,29.337 34.341,27.432 34.341,24.333 33.528,23.52 D3.K@26.055,23.52 ; R20.1@38.354,20.574 37.464,20.574 37.338,20.7 R5.1@36.449,20.7 34.926,22.223 R9.2@34.926,23.114 26.462,23.114 D3.K@26.055,23.52 ; D3.K@26.055,23.52 25.954,23.52 D3.K@25.954,23.622 D3.K@26.055,23.52
Pulse: Q7.E R31.1 | length 1.7
  Top Layer w0.8: R31.1@52.832,20.498 53.619,20.498 53.67,20.447 Q7.E@54.483,20.447
Pulse_S1: R49_S1.1 R50_S1.1 | length 1.8
  Top Layer w0.2: R49_S1.1@48.895,97.918 R50_S1.1@50.673,97.918
Pulse_S2: R49_S2.1 R50_S2.1 | length 2.1
  Top Layer w0.2: R49_S2.1@20.828,82.55 20.955,82.55 22.225,83.82 R50_S2.1@22.352,83.82
Pulse_S3: R49_S3.1 R50_S3.1 | length 1.9
  Top Layer w0.2: R50_S3.1@13.207,53.594 13.207,52.63 13.208,52.629 R49_S3.1@13.208,51.689
Pulse_S4: R49_S4.1 R50_S4.1 | length 1.9
  Top Layer w0.2: R50_S4.1@27.202,25.551 27.202,25.476 28.472,24.206 R49_S4.1@28.472,24.154
Pulse_S5: R49_S5.1 R50_S5.1 | length 1.9
  Top Layer w0.2: R50_S5.1@56.896,15.239 R49_S5.1@58.801,15.239
Pulse_S6: R49_S6.1 R50_S6.1 | length 1.8
  Top Layer w0.2: R50_S6.1@85.193,29.742 85.217,29.742 86.463,30.988 R49_S6.1@86.487,30.988
Pulse_S7: R49_S7.1 R50_S7.1 | length 1.8
  Top Layer w0.2: R50_S7.1@94.616,59.817 R49_S7.1@94.616,61.595
Pulse_S8: R49_S8.1 R50_S8.1 | length 6.5
  Top Layer w0.2: R49_S8.1@79.478,94.004 79.478,90.475 80.899,89.054 R50_S8.1@80.899,88.138
Pwm_L: *.23 U5.10 | length 39.9
  Top Layer w0.2: *.23@56.351,66.675 56.351,65.729 57.081,64.999 61.265,64.999 v1(61.366,64.897) ; v1(82.499,57.709) 86.233,53.975 U5.10@86.233,51.943
  Bottom Layer w0.2: v1(61.366,64.897) 61.366,61.163 62.967,59.563 80.645,59.563 v1(82.499,57.709)
Pwm_R: *.15 U7.10 | length 88.1
  Top Layer w0.2: *.15@51.151,66.675 51.151,65.719 51.346,65.524 51.346,61.76 52.68,60.427 59.436,60.427 61.565,58.298 61.565,34.544 65.1,31.008 65.1,23.038 65.634,22.504 67.666,22.504 70.028,24.867 78.664,24.867 82.245,28.448 82.245,31.953 82.855,32.563 82.855,40.056 82.804,40.107 81.28,40.107 81.026,39.853 U7.10@81.026,38.722
PWML: R35.1 U3.10 U5.1 | length 47.4
  Top Layer w0.2: v1(80.391,48.412) 81.153,48.412 U5.1@81.153,47.143 81.153,45.898 77.927,42.672 77.927,37.677 78.232,37.372 80.01,37.372 80.34,37.702 80.34,40.132 80.848,40.64 84.684,40.64 85.649,41.605 85.649,43.307 86.614,43.307 R35.1@86.614,44.196
  Bottom Layer w0.2: U3.10@66.675,36.435 70.615,36.435 80.391,46.211 v1(80.391,48.412)
PWMR: R41.1 U3.9 U7.1 | length 14.7
  Top Layer w0.2: U3.9@66.675,33.895 69.469,31.101 69.469,30.201 69.85,29.82 74.473,29.82 75.946,31.293 R41.1@75.946,31.496 75.946,32.69 U7.1@75.946,33.922
RX: RX/TX.3 U3.6 | length 4.2
  Bottom Layer w0.2: U3.6@66.675,26.275 68.504,26.275 68.871,25.908 RX/TX.3@70.739,25.908
SC_Card: J1.2 U8.8 | length 10.6
  Bottom Layer w0.2: U8.8@88.075,53.687 88.075,47.561 90.441,45.195 91.232,45.195 J1.2@91.466,44.962
Scl: D5-TVS.1 MPU6050.3 OLED.3 R22.2 U3.14 U4.6 | length 100.1
  Top Layer w0.2: U4.6@30.607,100.413 30.607,101.752 32.995,104.14 41.478,104.14 v1(44.501,101.117) ; MPU6050.3@50.038,90.17 51.054,89.154 51.054,82.296 51.816,81.534 53.848,81.534 OLED.3@54.864,82.55 ; v1(66.548,84.451) 67.666,83.333 67.666,75.159 67.31,74.803 67.31,64.211 69.85,61.671 D5-TVS.1@69.85,48.509 68.589,48.509 U3.14@66.675,46.595
  Bottom Layer w0.2: v1(44.501,101.117) 48.133,97.485 48.133,92.075 MPU6050.3@50.038,90.17 ; OLED.3@54.864,82.55 55.88,83.566 61.345,83.566 62.738,84.959 64.207,84.959 64.715,84.451 v1(66.548,84.451) ; R22.2@64.567,46.609 65.608,46.609 65.622,46.595 U3.14@66.675,46.595
SCLK: J1.5 U8.6 | length 42.9
  Bottom Layer w0.2: U8.6@87.425,59.357 87.425,60.376 101.321,60.376 103.911,57.785 105.664,57.785 106.045,57.404 106.045,49.682 104.242,47.879 92.778,47.879 J1.5@92.595,48.063
SD_MISO: 
SD_MOSI: 
SD_SC: 
SD_SCK: 
Sda: D5-TVS.2 MPU6050.4 OLED.4 R23.2 U3.11 U4.5 | length 116.1
  Top Layer w0.2: U4.5@31.877,100.413 31.877,100.609 35.585,100.609 38.075,103.099 40.386,103.099 41.351,102.133 v1(41.351,101.498) ; MPU6050.4@52.578,90.17 55.321,87.427 60.96,87.427 61.214,87.173 61.214,83.109 60.655,82.55 OLED.4@57.404,82.55 ; v1(66.954,82.042) 66.954,66.511 65.315,64.872 65.315,62.775 65.456,62.633 65.456,40.194 U3.11@66.675,38.975 68.59,40.89 68.59,46.228 68.971,46.609 D5-TVS.2@69.85,46.609
  Bottom Layer w0.2: v1(41.351,101.498) 45.517,97.333 45.517,94.158 48.514,91.161 48.514,89.408 49.53,88.392 50.8,88.392 MPU6050.4@52.578,90.17 ; OLED.4@57.404,82.55 65.151,82.55 65.659,82.042 v1(66.954,82.042) ; R23.2@64.186,38.862 65.354,38.862 65.467,38.975 U3.11@66.675,38.975
Sensor_0: P4_S1.1 U6.9 | length 68.4
  Top Layer w0.2: v1(50.546,49.708) 52.832,51.994 52.832,55.042 48.438,59.436 48.438,84.938 48.717,85.217 48.717,91.364 58.242,100.889 58.242,106.35 P4_S1.1@56.388,108.204
  Bottom Layer w0.2: U6.9@50.546,47.371 v1(50.546,49.708)
Sensor_1: P4_S2.1 U6.8 | length 92.6
  Top Layer w0.2: v1(46.228,91.516) 46.228,82.372 46.685,81.915 46.685,58.75 v1(51.816,53.619)
  Bottom Layer w0.2: P4_S2.1@19.213,95.032 15.175,95.032 14.605,94.463 14.605,89.027 17.043,86.589 25.07,86.589 26.848,88.367 45.187,88.367 46.228,89.408 v1(46.228,91.516) ; U6.8@51.816,47.371 v1(51.816,53.619)
Sensor_2: P4_S3.1 U6.7 | length 111.1
  Bottom Layer w0.2: P4_S3.1@2.921,59.182 0.94,57.201 0.94,52.573 3.15,50.363 3.15,38.608 4.801,36.957 9.754,36.957 12.319,34.392 12.319,29.845 18.288,23.876 18.288,22.936 16.866,21.514 16.866,19.99 17.272,19.583 18.694,19.583 21.615,22.504 32.156,22.504 34.823,19.837 39.268,19.837 39.268,29.566 40.06,30.357 40.06,32.008 40.64,32.588 44.526,32.588 53.086,41.148 U6.7@53.086,47.371
Sensor_3: P4_S4.1 U6.6 | length 74.1
  Bottom Layer w0.2: P4_S4.1@16.093,22.388 16.093,18.07 16.84,17.323 37.414,17.323 39.878,14.859 42.164,14.859 42.494,15.189 42.494,16.764 41.818,17.44 40.772,17.44 39.7,18.511 39.7,29.388 40.386,30.074 43.637,30.074 54.356,40.792 U6.6@54.356,47.371
Sensor_4: P4_S5.1 U6.5 | length 54.7
  Top Layer w0.2: v1(46.863,10.414) 46.863,24.892 47.523,25.552 49.276,25.552 49.632,25.908 49.632,46.228 v1(53.823,50.419)
  Bottom Layer w0.2: v1(46.863,10.414) 46.863,9.398 P4_S5.1@51.054,5.207 ; v1(53.823,50.419) 53.975,50.419 55.626,48.768 U6.5@55.626,47.371
Sensor_5: P4_S6.1 U6.4 | length 59
  Top Layer w0.2: v1(56.896,45.568) 59.233,43.231 59.233,34.233 64.4,29.066 64.4,21.553 66.04,19.914 68.301,19.914 69.723,21.336 69.723,23.876 70.231,24.384 71.831,24.384 77.419,18.796 P4_S6.1@88.138,18.796
  Bottom Layer w0.2: v1(56.896,45.568) U6.4@56.896,47.371
Sensor_6: P4_S7.1 U6.3 | length 56.2
  Bottom Layer w0.2: U6.3@58.166,47.371 58.166,52.095 62.84,56.769 89.764,56.769 91.643,58.649 100.482,58.649 P4_S7.1@105.029,54.102
Sensor_7: P4_S8.1 U6.2 | length 111.8
  Top Layer w0.2: P4_S8.1@92.361,91.4 v1(92.38,75.565)
  Bottom Layer w0.2: U6.2@59.436,47.371 59.194,45.851 57.607,45.851 57.607,58.42 58.75,58.42 59.441,59.111 59.441,66.263 58.623,67.081 44.705,67.081 43.713,68.072 43.713,72.72 44.323,73.33 64.897,73.33 67.132,75.565 v1(92.38,75.565)
SW_1: R27.2 S2.2 U3.18 | length 65.1
  Top Layer w0.2: S2.2@12.76,73.442 S2.2@20.26,73.442 ; R27.2@20.066,71.374 20.066,72.288 20.26,72.482 S2.2@20.26,73.442 ; U3.18@41.275,44.055 42.494,45.274 42.494,51.816 39.522,54.788 39.522,61.976 39.167,62.332 35.56,62.332 35.204,61.976 35.204,58.318 26.721,58.318 25.324,59.715 25.324,70.485 22.367,73.442 S2.2@20.26,73.442
SW_2: R29.2 S3.2 U3.19 | length 89.6
  Top Layer w0.2: S3.2@2.727,66.33 S3.2@10.227,66.33 10.227,65.319 10.034,65.126 R29.2@10.034,64.135 10.034,63.221 11.024,62.231 11.024,56.718 12.395,55.347 12.395,52.603 9.398,52.603 8.407,51.613 7.468,51.613 v1(6.452,50.597)
  Bottom Layer w0.2: v1(6.452,50.597) 19.126,50.597 22.606,47.117 22.606,39.091 27.305,34.392 28.448,34.392 29.718,33.122 29.718,31.496 30.937,30.277 32.258,30.277 34.011,28.524 37.719,28.524 39.71,30.515 39.71,39.95 U3.19@41.275,41.515
SW_3: R30.2 S4.2 U3.20 | length 58.7
  Top Layer w0.2: S4.2@25.527,82.296 S4.2@33.027,82.296 33.96,82.296 34.087,82.169 R30.2@35.052,82.169 35.052,73.101 36.576,71.577 40.132,71.577 40.488,71.222 40.488,55.093 42.85,52.73 42.85,40.55 U3.20@41.275,38.975
TX: RX/TX.2 U3.7 | length 4.8
  Bottom Layer w0.2: U3.7@66.675,28.815 67.769,27.721 70.012,27.721 RX/TX.2@70.739,28.448
"V5 Motor": *.20 C1.1 C6.+ F1.2 R24.2 | length 58.8
  Top Layer w0.32: *.20@54.401,66.675 54.401,65.055 54.515,64.941
  Top Layer w0.56: 74.699,94.92 78.994,94.92 C6.+@78.994,96.52
  Top Layer w0.76: 54.515,64.941 54.515,63.468 R24.2@54.61,63.373 54.61,63.11 61.828,63.11
  Top Layer w0.8: 61.828,63.11 62.726,64.008 62.726,65.088 65.198,67.56 65.198,93.339 F1.2@65.913,94.054 70.993,94.054 71.247,93.8 C1.1@73.533,93.8 73.579,93.8 74.699,94.92
VCC: *.13 *.14 *.24 C3.2 C4.1 C5.1 C7.1 C12.1 C15.1 F2.1 IC1_5v.1 R21.2 U1.8 U2_3.3v.3 | length 167
  Top Layer w0.32: *.13@49.851,66.675 50.176,66.675 ; *.24@57.001,66.478 *.24@57.001,66.675 57.001,68.072 57.837,68.908
  Top Layer w0.8: v2(23.495,42.291) C4.1@23.495,47.253 ; v1(24.155,51.181) 23.495,50.521 C4.1@23.495,47.253 ; R21.2@31.064,38.862 31.064,40.284 31.75,40.97 C12.1@31.75,42.418 31.75,43.815 31.623,43.942 C15.1@31.623,45.339 28.499,45.339 26.585,47.253 C4.1@23.495,47.253 ; 50.176,66.675 50.292,66.559 v2(50.292,63.754) ; 57.201,66.478 57.728,66.478 v2(58.014,66.192) ; 57.837,68.908 C7.1@59.944,68.908 62.636,68.908 64.059,70.33 64.059,83.82 ; v2(62.917,83.669) 63.007,83.759 63.997,83.759 64.059,83.82 ; U1.8@69.15,104.766 69.15,105.791 69.037,105.904 C3.2@69.037,106.934 68.072,106.934 64.059,102.921 64.059,83.82 ; v2(75.895,83.896) 75.895,86.36 C5.1@77.216,86.36
  Bottom Layer w0.8: U2_3.3v.3@17.38,56.768 19.328,56.768 22.758,60.198 29.515,60.198 ; v2(23.495,42.291) 28.776,37.01 F2.1@28.776,35.687 ; v1(24.155,51.181) 27.762,51.181 31.116,54.535 IC1_5v.1@31.116,56.788 31.116,58.928 29.515,60.198 ; 58.017,65.424 56.617,64.024 56.617,63.449 56.591,63.424 56.016,63.424 55.889,63.297 47.669,63.297 47.457,63.509 32.826,63.509 29.515,60.198 ; v2(62.917,83.669) 64.953,83.669 65.548,83.074 75.073,83.074 v2(75.895,83.896)
Vin_BAT: BAT.2 Q5.3 Q6.3 R1.2 R10.1 | length 43.6
  Top Layer w0.8: R1.2@28.661,17.993 30.48,17.993 ; Q5.3@30.734,26.035 30.734,18.247 30.48,17.993 ; BAT.2@32.004,9.271 32.004,16.469 30.48,17.993
  Bottom Layer w0.8: Q6.3@16.51,32.258 16.51,28.448 17.653,27.305 18.29,27.305 18.299,27.296 29.473,27.296 29.895,26.874 30.128,26.874 30.734,26.269 Q5.3@30.734,26.035 ; BAT.2@32.004,9.271 33.401,7.874 R10.1@36.576,7.874
Vin_Charg: Charger.1 Q6.2 R1.1 R2.2 R6.2 | length 50.9
  Top Layer w0.8: Charger.1@14.413,44.216 17.506,44.216 19.05,42.672 Q6.2@19.05,32.258 ; R1.1@24.171,13.503 24.171,17.745 29.642,23.216 29.642,24.435 29.362,24.714 29.362,27.661 v1(26.492,30.531)
  Bottom Layer w0.8: R6.2@19.177,29.971 19.177,31.039 19.05,31.166 Q6.2@19.05,32.258 19.05,33.528 19.579,34.057 20.65,34.057 20.654,34.061 21.336,34.061 21.768,34.493 ; R2.2@21.768,35.306 21.768,34.493 ; v1(26.492,30.531) 25.959,30.531 25.07,31.42 25.07,32.512 23.52,34.061 22.098,34.061 21.768,34.392 21.768,34.493
X1: U4.1 Y1.1 | length 3.2
  Top Layer w0.2: Y1.1@27.406,91.948 28.067,92.609 U4.1@28.067,94.913
X2: U4.2 Y1.2 | length 3.4
  Top Layer w0.2: U4.2@29.337,94.913 29.337,93.117 Y1.2@30.506,91.948
pads on no net: BT1.0 C1.0 C7.0 D3.NC F1.0 F2.0 F3.0 F4.0 J1.1 J1.8 J1.9 J1.14 J1.15 LED1.0 LED2.0 LED3.0 LED4.0 LED-3.3V.0 LED-VCC.0 LED_5V.0 LED_-Charg.0 MPU6050.5 MPU6050.6 MPU6050.8 ON/OFF.1 S2.0 S3.0 S4.0 U1.4 U1.5 U3.1 U3.8 U3.16 U5.0 U5.4 U5.12 U5.13 U6.16 U6.17 U6.18 U6.19 U6.20 U6.21 U6.22 U6.23 U7.0 U7.12 U7.13

## Polygon pours and split planes (outlines as drawn)
GND_S1 on Bottom Layer "GND_L02_P-001" (solid, remove dead copper, pour order 1): 18.415,14.351 12.33,20.337 6.972,27.632 2.601,36.415 0.098,44.686 0.026,67.847 3.926,79.558 6.578,84.849 10.097,89.789 16.366,96.702 24.053,102.676 28.199,105.096 32.977,107.327 40.258,109.733 47.867,111.109 55.524,111.433 63.367,110.599 69.503,109.152 76.871,106.373 82.629,103.289 87.655,99.979 91.879,96.151 96.501,91.132 100.919,84.849 104.729,77.269 107.244,69.537 108.617,61.255 108.828,51.846 107.559,44.686 104.4,34.811 100.495,27.326 94.962,19.922 88.82,14 83.893,10.378 75.45,5.861 66.669,2.953 56.667,1.433 46.132,1.974 36.442,4.253 29.68,7.018 23.763,10.378
GND_S1 on Top Layer "GND_L02_P-002222" (solid, remove dead copper, pour order 0): 18.39,14.575 12.305,20.562 6.947,27.857 2.576,36.64 0.073,44.91 0.001,68.072 3.901,79.782 10.072,90.013 16.342,96.926 24.028,102.901 28.174,105.321 32.952,107.552 40.233,109.957 47.842,111.333 55.499,111.657 63.342,110.824 69.478,109.377 76.846,106.598 82.604,103.514 87.63,100.203 91.854,96.376 96.476,91.357 100.894,85.073 104.704,77.493 107.22,69.762 108.592,61.48 108.803,52.07 107.534,44.91 104.375,35.036 100.47,27.551 94.937,20.147 88.795,14.224 83.868,10.602 75.425,6.086 66.644,3.177 56.642,1.657 46.107,2.199 36.418,4.478 29.655,7.242 23.739,10.602

## Silkscreen, mask and mechanical layers (free items; w line width, h text height)
Top Overlay:
  lines w0.2: 25.091,36.068 25.091,29.337 38.172,29.337 38.172,36.068 25.172,36.068 ; 41.275,56.334 41.348,56.261 ; 41.402,57.731 41.402,84.709 66.402,84.709 ; 41.475,57.658 66.402,57.658 66.402,84.639 ; 43.754,88.646 43.754,104.146 64.008,104.146 64.008,88.646 43.754,88.646
  text "78L05AC" at 60.676,100.763 h1.5
  text "Ds1307" at 32.757,97.975 h1.5
  text "MPU6050" at 43.503,93.34 h1.5 r90
  text "MPU6050" at 57.272,91.879 h1.5
  text "OLED64" at 41.524,85.015 h1.5
  text "OLED64" at 45.715,79.554 h1.5
  text "Buzzer" at 88.616,79.554 h1.5
  text "TB6612" at 57.78,73.966 h1.5
  text "74HC04" at 73.655,50.852 h1.5
  text "Charger" at 1.452,45.015 h1.5 r20
  text "74HC04" at 69.21,40.311 h1.5
  text "ESP32" at 50.253,39.969 h1.5
  text "ACRRL / Www.ACRRL.ir" at 85.081,34.681 h2
  text "-" at 25.228,10.283 h1.5
  text "+" at 35.769,9.075 h1.5
Bottom Overlay:
  text "ACRRL / Www.ACRRL.ir" at 80.273,98.308 h2
  text "ACRRL / Swarm Mobile Robot Project / V1.1  / Shiraz University / MSabouri" at 29.227,64.663 h2
  text "74VHC125" at 81.954,58.384 h1.5
  text "CD4067BM" at 69.635,53.431 h1.5
  text "Micro SD" at 94.019,35.143 h1.5
Mechanical 1:
  circle w0.5: c53.803,56.657 r55
  circle w0.013: c9.811,30.857 r1.5
  circle w0.013: c44.053,106.717 r1.5
  circle w0.013: c44.053,6.598 r1.5
  circle w0.013: c63.553,106.717 r1.5
  circle w0.013: c63.553,6.598 r1.5
  circle w0.013: c97.796,82.457 r1.5
  circle w0.013: c97.796,30.857 r1.5
  circle w0.013: c9.811,82.457 r1.5
  lines w0.2: 30.099,64.516 39.751,64.516 39.751,71.183 30.099,71.183 30.099,64.516 ; 67.564,64.865 67.564,71.533 77.216,71.533 77.216,64.865 67.564,64.865
  lines w0.35: 108.803,56.642 cw(c53.803,56.657) 108.803,56.896

## Text inside footprints (layer, text, board x,y; h text height)
C4: Top Overlay "+" at 22.295,45.753 h1.2 r90
C5: Top Overlay "+" at 75.716,87.56 h1.2
C6: Top Overlay "+" at 78.669,96.514 h1.2 r90
C10: Top Overlay "+" at 35.236,54.069 h1.2 r270
C14: Top Overlay "+" at 23.909,57.715 h1.2
C25: Top Overlay "+" at 93.085,42.743 h1.2
D5-TVS: Mechanical 15 "Q3" at 71.3,47.159 h0.5 r90
LED5_S1: Bottom Overlay "IR" at 54.553,100.762 h1.5
LED5_S2: Bottom Overlay "IR" at 23.227,88.392 h1.2 r45
LED5_S3: Bottom Overlay "IR" at 10.617,57.379 h1.2 r90
LED5_S4: Bottom Overlay "IR" at 22.716,26.546 h1.2 r135
LED5_S5: Bottom Overlay "IR" at 53.016,12.776 h1.5 r180
LED5_S6: Bottom Overlay "IR" at 84.071,25.383 h1.2 r225
LED5_S7: Bottom Overlay "IR" at 97.333,55.905 h1.2 r270
LED5_S8: Bottom Overlay "IR" at 85.648,87.391 h1.2 r315